# KiCad board ebit_ad.kicad_pcb (continued)
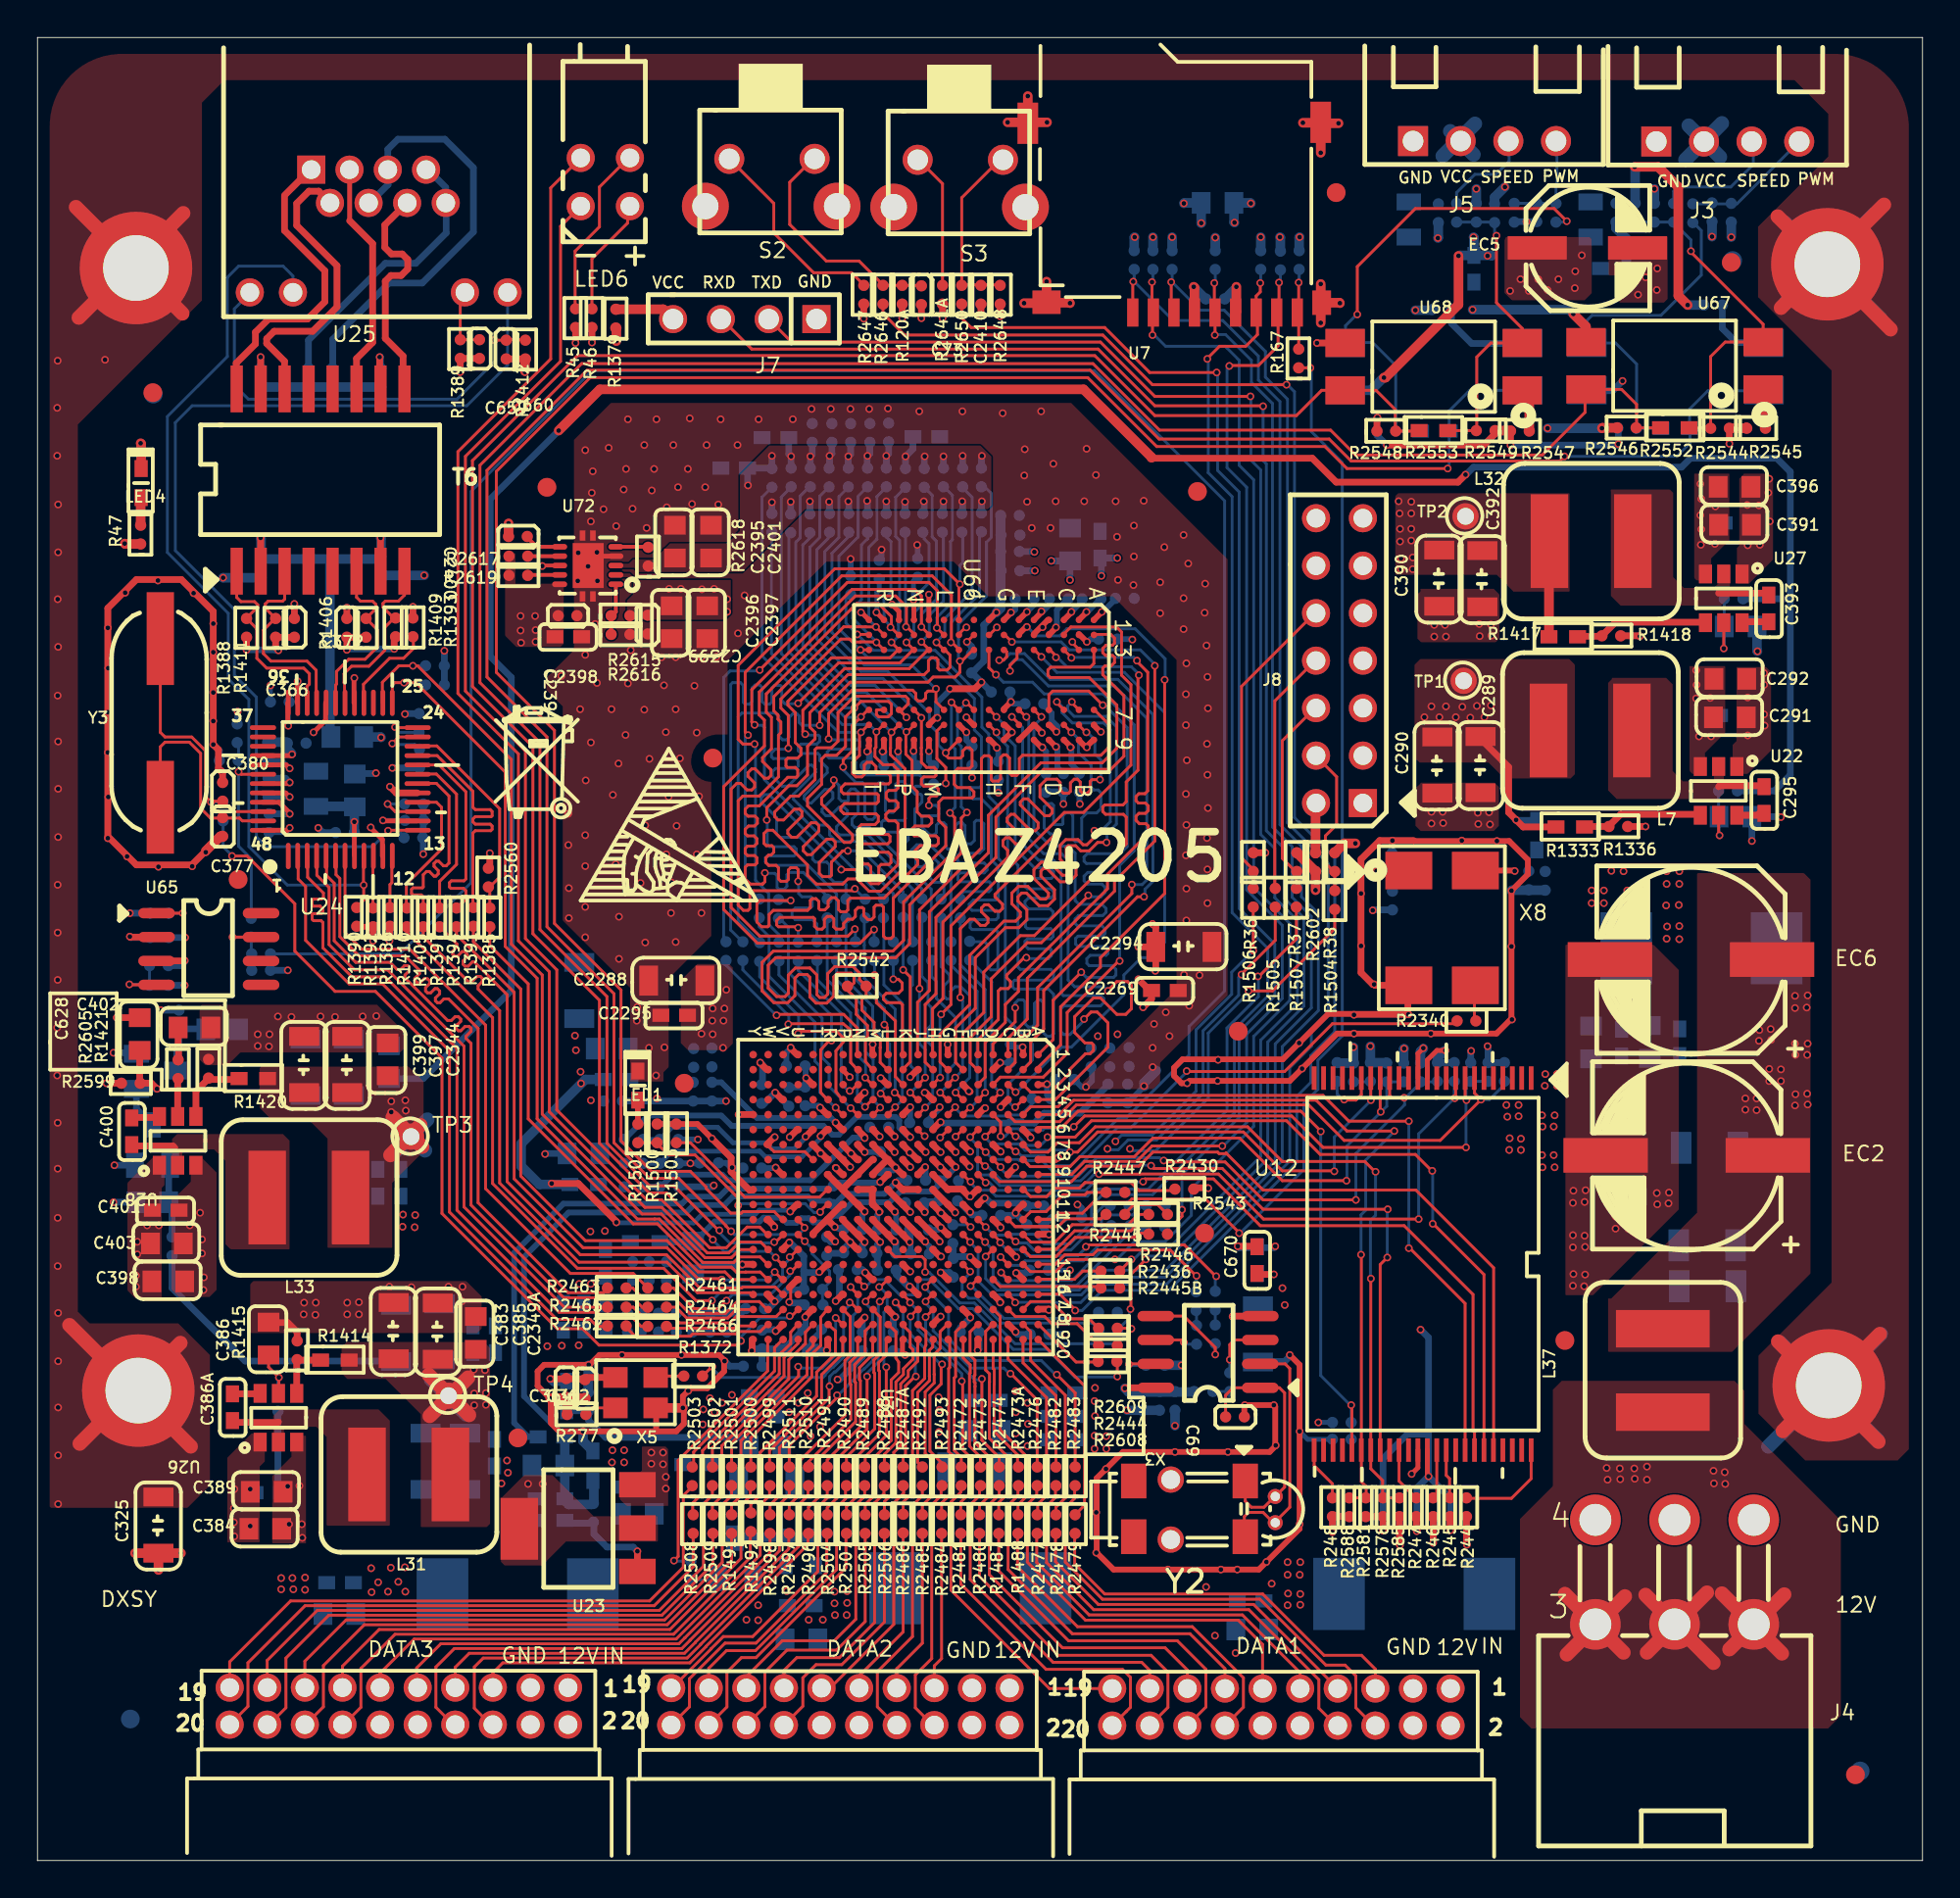
[diagram p0: board, top side]
## Routing (per net, layer and track width the routed paths; a pad name or vN(x,y) marks a point on that pad's centre or on a via; arc(x,y) is an arc through that point) (continued)
  Top Layer w0.305: v1(35.98,38.53) 35.2,39.3 R1500.2
  Top Layer w0.356: v1(4.93,49.3) 4.95,49.28 U65.2 ; v1(48.28,82.3) R2641A.1 ; v1(27.43,36.13) 28.85,36.13 30.88,34.1 v1(30.88,34.05) ; 50.97,34.22 51.38,33.8 51.38,33.8 ; 51.38,37.8 51.37,37.8 50.97,38.21 ; v1(44.93,38.63) 44.92,38.63 44.53,39.01 ; v1(53.95,33.4) 53.95,33.42 53.95,33.43 53.94,33.42 53.38,33.42 ; C670.1 65.1,31.28 v1(65.95,31.28) ; R2548.1 71.45,76.98 v1(71.48,77) ; R36.2 v1(65.5,53.78) ; v1(73.58,17.58) 73.55,17.6 R247.1 ; v1(28.7,80.98) R45.1 ; R1333.1 79.25,55.15 v1(78.88,55.53) 78.48,55.93 78.48,58.35 76.85,59.98 ; v1(75.38,17.63) 75.35,17.65 R245.1 ; 40.18,34.63 40.18,34.68 40.51,35.02 ; 50.16,31.82 50.13,31.82 49.78,32.18 ; v1(44.08,82.28) R2647.1 ; v1(35.98,38.53) 37,37.5 37,36.75 37.98,35.78 38.15,35.78 ; 52.57,39.01 52.95,38.63 52.95,38.63 ; 38.91,38.21 39.3,38.6 v1(39.33,38.6) ; v1(71.78,17.6) R2578.1 ; 61.68,35.9 62.43,35.9 v1(62.45,35.88) ; v1(29.58,81) R46.1 ; R2581.1 71.83,18.35 ; 52.2,31.38 52.56,31.02 52.57,31.02
  Top Layer w0.508: v1(85.2,90.38) 86.45,90.38 87.53,89.3 87.53,83.5 v1(88.03,83) ; v1(70.3,54.28) 69.7,54.28 R38.2 ; v1(83.45,76.43) 83.48,76.45 R2546.1 ; v1(61.68,83.98) 61.72,83.94 U7.4 ; v1(30.88,81.08) 30.88,81.73 ; v1(68.18,51.78) R2602.1 R1507.2 ; R47.1 4.68,70.25 v1(4.65,70.28)
  Bottom Layer w0.254: 13.4,55 13.25,54.85 C374.1 ; 40.18,34.58 40.05,34.7 38.5,34.7 38.28,34.48 35.46,34.48 35,34.03 30.85,34.03 ; C370.1 13.48,56.75 13.5,56.78 ; C369.1 13.05,58.68 v1(13.45,58.28) ; v1(68.33,23.38) R2577.2 ; v1(18.43,55.5) 19.58,55.5 ; v1(13.38,60.55) U24.36 C367.1
  Bottom Layer w0.305: v1(44.93,38.63) 44.43,39.13 R1502.2 ; C667.1 36.73,37.23 37,36.95 37.45,36.95 ; v1(10.68,61.3) 10.65,61.28 R1995.2
  Bottom Layer w0.356: C1887.1 4.98,49.25 v1(4.93,49.3) ; v1(75.38,17.63) 75.38,19.33 74.25,20.45 ; v1(71.78,17.6) 71.78,21.45 73.08,22.75 74.1,22.75 ; R1948.1 v1(7.85,46.7) ; v1(73.78,28.33) 74.2,27.9 v1(74.2,20.5) 73.58,19.88 v1(73.58,17.58) ; 54.68,34.3 54.08,34.3 53.68,33.9 53.68,33.7 53.95,33.42 v1(53.95,33.4) ; 52.88,31.48 52.75,31.35 v1(52.2,31.35) ; v1(71.23,50.7) 71.25,50.73 R2391.1 ; 78.23,42.6 78.2,42.58 R2583.2 77.38,43.43 v1(77.35,43.45) ; R1950.1 v1(13.35,47.5) ; 48.88,32.95 48.85,32.93 48.85,32.23 49.68,32.23 49.73,32.18 v1(49.75,32.2) ; 75.63,42.6 75.6,42.58 R2582.2 ; v1(78.88,55.53) 78.9,55.5 L113.1 ; v1(18.93,58.3) R1408.1 ; R2470.1 v1(21.7,64.55) ; v1(4.93,50.55) R2336.2
  Bottom Layer w0.508: v1(85.2,90.38) 85.23,90.35 R1344.2 ; v1(67.33,86.63) 67.3,86.6 R166.2 ; 69.38,42.6 69.43,42.55 R2579.2 v1(70.2,43.4) ; R161.2 v1(65.25,86.63) ; R2460.2 26.78,36.08 25.8,37.05 25.8,38.25 29.23,41.68 30.08,41.68 ; 61.7,83.93 62.3,83.33 C94.2 ; 75.05,43.2 74.68,42.83 R2582.2 ; v1(60.68,23.2) R1279.1 ; 88.93,82.98 88.9,83 v1(88.03,83) ; v1(73.5,82.73) 74.38,82.73 R3555.1 ; v1(62.08,87.38) C93.2 61.18,88.45 v1(61.15,88.43) ; R163.2 v1(60.53,86.63) ; v1(80.55,76.43) v1(83.45,76.43) ; R162.2 v1(62.83,86.6) ; R2580.2 72.88,43.3 v1(72.9,43.33) ; R160.2 66.3,86.6 v1(66.28,86.63) ; R164.2 v1(59.5,86.63) ; R1361.2 v1(76.75,89.2) ; v1(58.53,86.63) 58.5,86.6 R165.2
  vias: v1(25.77,66.41) v1(25.77,65.63) v1(25.8,64.98) v1(26.54,66.41) v1(26.57,65.66) v1(26.57,65.03) v1(28.67,44.02) v1(28.72,43.24) v1(28.97,42.09) v1(28.99,41.47) v1(29.52,40.57) v1(32.74,21.77) v1(32.74,21.17) v1(33.37,21.77) v1(33.37,21.15) v1(33.52,20.47) v1(33.52,19.85) v1(37.05,36.98) v1(40.15,34.63) v1(51.38,37.83) v1(51.38,33.78) v1(52.98,38.57) v1(56.39,22.67) v1(56.39,21.97) v1(57.01,22.65) v1(57.01,21.97) v1(66.41,30.54) v1(66.53,29.64) v1(73.98,61.01) v1(74.36,61.59) v1(74.78,61.01) v1(75.13,61.59) v1(75.66,61.01) v1(76.01,61.56) v1(76.43,60.99) v1(76.78,61.61) v1(77.18,61.01) v1(77.53,61.64)
VCC1: length 24.1
  Bottom Layer w0.356: v1(47.33,74.93) 47.3,74.9 R2636.2 ; 47.3,71.88 47.3,72.5 v1(47.28,72.53) ; C2407.1 42.38,75.08 v1(42.25,74.95) 42.25,74.33 R2622.2 ; R2632.2 v1(40.18,72.5) ; R2643.2 v1(48.33,74.93) ; R2637.2 v1(41.2,72.53) ; 41.33,75.58 41.33,75.03 v1(41.23,74.93) R2625.2 ; C2403.1 40.08,75.05 v1(40.2,74.93) 40.2,74.23 ; 48.33,71.88 v1(48.33,72.53) ; 49.35,71.88 49.35,72.5 v1(49.33,72.53) ; v1(44.25,72.55) 44.28,72.53 R2630.2 ; C2402.2 46.7,75.33 v1(46.3,74.93) 46.3,74.25 46.25,74.2 ; v1(43.25,72.53) 43.28,72.5 R2631.2 ; R2624.2 v1(46.28,72.5) ; 44.25,74.25 44.25,74.93 v1(44.28,74.95) 44.4,75.08 C2408.1 ; v1(37.9,73.38) 37.88,73.4 C2404.1 39.15,74.3 R2629.2 v1(39.18,74.95) ; v1(50.38,72.53) 50.35,72.5 R2640.2 ; 43.23,74.38 43.25,74.4 v1(43.25,74.93) 43.38,75.05 C2405.1 ; v1(42.23,72.5) 42.25,72.48 R2633.2 ; v1(50.38,74.95) 50.35,74.93 R2639.2 ; R2641.2 v1(49.35,74.95) ; C2409.1 45.4,75.08 v1(45.28,74.95) 45.28,74.25 ; R2626.2 v1(45.28,72.53) ; R2627.2 v1(39.18,72.48)
VCC6: length 5.3
  Top Layer w0.356: X3.8 58.03,25.23 v1(58,25.2)
  Bottom Layer w0.508: v1(58,25.2) 58.2,25 61.6,25
VCC8: length 17.1
  Top Layer w0.356: v1(71.98,75.53) 77.15,75.53 77.75,76.13 R2549.2 ; v1(90.25,75.6) R2544.2 ; v1(78.58,75.53) R2547.1
  Top Layer w0.508: R2549.2 78.6,76.3 ; 91.15,76.48 91.1,76.43 R2544.2
  Bottom Layer w0.356: v1(78.58,75.53) 84.3,75.53 84.33,75.55 84.33,76.43 ; R2556.1 71.45,76.05 71.95,75.55
  vias: v1(78.56,83.75) v1(79.11,84.38) v1(79.56,83.75) v1(80.06,84.38) v1(80.56,83.8) v1(81.13,84.38) v1(82.03,84.8) v1(82.01,83.9) v1(82.38,85.65) v1(84.33,75.58) v1(91.1,40.67) v1(91.1,40.07) v1(91.7,40.67) v1(91.7,40.04) v1(91.85,44.31) v1(91.83,43.74) v1(92.45,44.36) v1(92.38,42.24) v1(92.38,41.59) v1(92.48,43.79) v1(93,42.22) v1(93,41.59) v1(93.75,46.14) v1(93.75,45.49) v1(93.75,43.59) v1(93.75,40.29) v1(93.78,42.99) v1(93.78,40.89) v1(94.43,46.16) v1(94.38,45.51) v1(94.43,43.59) v1(94.4,42.99) v1(94.4,40.92) v1(94.43,40.34)
VCC-DDR: length 53.6
  Top Layer w0.152: 50.75,65.45 50.83,65.45 v1(51.18,65.8) ; 49.58,65.8 49.5,65.8 49.15,65.45
  Top Layer w0.254: v1(46.73,67.28) 46.75,67.25 46.75,66.2 ; 45.15,66.2 v1(44.75,66.6) 44.73,66.6 ; v1(53.85,41.43) 53.83,41.4 53.38,41.4 ; 42.92,42.21 43.32,41.81
  Top Layer w0.305: 56.35,66.2 v1(56.78,66.63) ; 50.75,59.8 50.8,59.8 51.18,59.43 ; v1(45.08,59.18) 45.15,59.18 45.15,59.18 45.15,59.8 ; 52.35,66.2 v1(52.78,66.63) ; 53.95,65.45 54,65.45 54.35,65.8 ; v1(46.73,59.21) 46.75,59.21 46.75,59.2 46.75,59.8 ; v1(51.93,61.83) 51.55,61.45 51.55,61.4 ; 54.75,59.8 55.15,59.4 55.18,59.4 ; 49.15,60.58 49.18,60.58 v1(49.55,60.2) ; v1(56.73,60.23) 56.7,60.23 56.35,60.58 ; v1(55.15,66.63) 55.15,66.6 54.75,66.2 ; v1(48.55,43.55) 48.55,43.55 48.55,43 ; 53.95,59.8 v1(54.33,59.43) ; 55.55,65.45 55.93,65.08 55.93,65.03 ; 53.15,59.8 53.55,59.4
  Top Layer w0.356: v1(58.73,47.03) 59.33,46.43 C2269.1 59.43,45.98 v1(58.98,45.53) ; C2294.1 59.65,47.5 v1(59.63,47.48) ; C2294.1 v1(58.73,48.75) ; C2294.1 59.65,49.8 v1(59.48,49.98) ; 45.34,41.4 44.99,41.75 v1(44.98,41.75) ; v1(43.33,41.8) 43.35,41.8 ; v1(50.55,40.15) 50.51,40.15 50.16,39.81 ; v1(51.35,42.58) 51.34,42.58 50.97,42.2 ; v1(40.18,43.38) 40.18,43.34 40.51,43 ; 47.4,40.95 47.75,40.61 47.75,40.61 ; v1(39.35,40.98) 39.71,40.62 39.71,40.61 ; v1(41.75,40.18) 42.12,39.81
  Top Layer w0.508: 80.68,68.6 80.63,68.55 R1417.1
  Bottom Layer w0.254: v1(46.73,67.28) 46.73,68.28 46.9,68.45 ; C2382.1 44.9,67.8 44.78,67.68 44.78,66.6 ; v1(51.35,42.58) 51.88,42.58
  Bottom Layer w0.305: 49.78,59.55 49.55,59.78 v1(49.55,60.2) ; v1(41.75,40.18) 41.65,40.28 C2298.1 ; C2373.2 56.18,65.18 56.05,65.05 ; 53.53,59.45 53.8,59.18 C2372.1 ; 46.85,58.43 46.75,58.53 46.75,59.2 46.75,59.21 v1(46.73,59.21) ; 52.7,66.55 53.15,67 C2369.1 ; 52.6,61.73 52.03,61.73 v1(51.93,61.83) 51.88,61.88 51.88,62.3 ; v1(55.15,66.63) 55.73,67.2 ; 55.15,59.43 55.15,58.5 55.65,58 ; C2367.1 54.4,58.33 54.4,59.48 ; 40.23,43.4 39.95,43.13 C2299.2 ; v1(56.78,66.63) 56.83,66.63 57.48,67.28 ; 54.38,65.8 54.38,66.73 54.93,67.28 ; 54.28,41.7 54.25,41.7 53.85,41.3 53.85,40.85 R2457.1 ; v1(51.18,59.38) 51.25,59.3 51.25,58.7
  Bottom Layer w0.356: v1(45.08,59.18) 45.15,59.18 45.15,59.18 45.15,58.53 45.18,58.5 ; C2296.1 38.78,40.4 v1(39.35,40.98) 40.05,40.28 40.05,40.25 ; v1(54.08,69.35) C2370.1 v1(55.08,68.33) ; C2383.1 53.15,69.85 v1(53.18,69.83) ; R2537.2 v1(53.2,68.83) ; v1(56.75,68.55) 56.75,69.43 C2292.1 v1(57.6,69.5)
  vias: v1(33.69,67.86) v1(34.32,67.86) v1(35.44,67.83) v1(35.42,44.12) v1(36.02,45.46) v1(35.99,44.81) v1(36.02,44.09) v1(36.09,67.86) v1(36.64,45.46) v1(36.59,44.81) v1(36.57,43.37) v1(36.74,46.46) v1(36.79,67.31) v1(36.79,66.63) v1(47.33,40.98) v1(49.55,65.8) v1(53.6,59.4) v1(54.33,65.8) v1(55.1,59.4) v1(55.98,65.03) v1(56.56,43.99) v1(57.61,44.09) v1(72.61,72.53) v1(72.66,71.88) v1(72.68,71.06) v1(72.68,70.38) v1(72.73,69.48) v1(72.73,68.91) v1(73.28,72.51) v1(73.28,71.88) v1(73.28,71.06) v1(73.28,70.43) v1(73.36,69.53) v1(73.36,68.91)
VCCA: length 152.4
  Top Layer w0.356: 44.13,34.6 v1(44.13,34.63) 42.14,36.61 42.12,36.61 ; v1(46.55,37) 46.55,37 46.14,37.41 ; 42.98,35.85 42.98,35.85 44.53,37.41 ; 59.43,74.85 59.45,74.83 68,74.83 69.28,73.55 75.78,73.55 v1(76.18,73.95) ; 48.55,36.61 48.55,36.61 47.75,37.41 ; 45.34,35.02 45.75,34.6 ; 49.36,37.41 v1(49.73,37.03) ; 46.95,35.02 47.33,34.63 47.35,34.63
  Top Layer w0.508: 59.43,74.85 59.43,74.88 55.8,78.5 30,78.5 v1(27.8,76.3)
  Top Layer w0.762: 18.82,37.64 20.42,39.24 ; 18.95,39.67 20.52,38.09
  Bottom Layer w0.305: C2354.1 47.38,35.18 48,35.18 ; 44.13,34.6 44,34.48 C2339.1 ; C2342.1 45.8,34.55 45.75,34.6
  Bottom Layer w0.356: 93.5,67.38 93.5,57.93 92.65,57.08 R2603.2 ; 93.5,67.38 93.45,67.33 90.93,67.33 ; 93.5,67.38 93.5,74.1 92.78,74.83 88.18,74.83 87.7,74.35 76.6,74.35 76.23,73.98 ; 47.35,34.55 47.35,34.93 47.28,35 ; v1(27.8,76.3) 24.15,72.65 24.15,64.25 25.28,63.13 25.28,46.43 20.58,41.73 19.13,41.73
  Bottom Layer w0.762: 19,37.74 20.8,39.54 ; 19,39.57 20.67,37.89
  vias: v1(18.87,40.52) v1(18.87,39.94) v1(19.62,40.57) v1(19.65,40.02) v1(29.49,33.57) v1(30.27,33.59) v1(45.74,34.62) v1(47.33,34.6) v1(48.17,36.99)
VCCB: length 17.6
  Top Layer w0.356: v1(46.55,38.6) 46.55,38.6 46.14,39.01
  Bottom Layer w0.305: R1496.2 32.58,39.75 36.48,39.75 37.03,39.2 41.93,39.2 42.4,38.73 42.75,38.73 43.71,39.68 44.63,39.68 44.64,39.68 45.17,39.68 45.17,39.68 45.77,39.68 45.97,39.48 45.97,39.11 46.38,38.7
VCCE: length 25.7
  Top Layer w0.356: 41.32,29.42 41.32,29.39 40.98,29.05 ; v1(44.13,28.98) 43.78,28.63 43.73,28.63 ; 41.75,31.43 41.75,31.45 42.12,31.82 ; 38.12,27.21 38.12,27.81 ; v1(39.33,29.83) 39.3,29.83 38.91,30.22 ; 39.71,32.62 39.74,32.62 40.13,33
  Bottom Layer w0.305: 40.98,28.95 40.98,28.5 C2308.2
  Bottom Layer w0.356: C2310.1 38.65,27.33 38.63,27.35 ; 39.78,27.3 C2307.1 38.15,27.3 38.13,27.28 ; C2309.2 39.8,27.28 40.85,28.33 ; 40.85,30.45 40,30.45 39,29.45 C2313.1 ; 37.7,22.4 37.53,22.58 30.3,22.58 29.4,23.48 29.4,24 L29.2 ; 40.88,31.45 40.95,31.38 41.7,31.38 ; 40.88,31.45 R2540.2 ; 40.88,31.45 40.88,32.25 40.13,33 ; v1(44.13,28.98) 44,28.85 C2314.1
  vias: v1(35.52,24.07) v1(35.49,23.27) v1(35.87,24.67) v1(36.12,23.92) v1(36.52,24.42) v1(37.04,24.84) v1(38.1,27.2) v1(40.1,32.98) v1(40.95,29) v1(41.7,31.4)
VCCO: length 7.9
  Top Layer w0.254: v1(46.28,26.98) 46.14,27.11 46.14,27.83
  Top Layer w0.356: 46.58,30.6 46.58,30.59 46.95,30.22 ; v1(44.15,31.38) 44.51,31.02 44.53,31.02 ; 47.75,32.62 48.15,32.22 48.15,32.2 ; 51.77,28.63 52.18,28.22 v1(52.18,28.2) ; 49.36,29.42 49.78,29 49.78,29
  Bottom Layer w0.254: C2317.2 46.05,27.2 v1(46.28,26.98)
  Bottom Layer w0.356: 52.18,28.18 52.28,28.08 C2323.2 ; 46.58,30.63 46.45,30.63 45.8,31.28 C2320.1 ; v1(44.15,31.38) 44,31.53 C2318.1 ; 49.7,28.9 49.23,28.43 C2322.2
  vias: v1(46.53,30.63) v1(48.2,32.23) v1(49.76,28.97) v1(52.16,25.04) v1(52.19,23.92) v1(52.19,22.8) v1(52.81,24.42) v1(52.84,23.3) v1(52.81,22.12)
VCCP: length 43
  Top Layer w0.356: 48.95,34.63 48.94,34.63 47.75,35.81 ; v1(48.98,37.8) 48.96,37.8 48.55,38.21 ; 46.14,34.22 47.36,33 ; v1(44.13,33) 44.13,33.02 42.93,34.22 ; 46.95,38.21 47.35,37.8 v1(47.38,37.8) ; v1(44.13,37.8) 44.13,37.81 43.73,38.21 ; 42.12,38.21 42.14,38.21 v1(43.35,37) ; v1(42.55,33.03) 42.16,33.42 42.12,33.42 ; 45.34,38.21 45.73,37.82 v1(45.73,37.8) ; 48.55,33.42 48.55,33.42 47.75,34.22 ; 44.53,34.22 45.75,33
  Top Layer w0.762: 20.87,25.92 23.02,23.77 ; 20.92,23.72 22.97,25.77
  Bottom Layer w0.305: C2335.1 48.03,33.65 48.15,33.78 ; 44.18,37.8 44.93,37.8 C2347.2 ; 47.4,32.95 47.58,32.78 C2346.1
  Bottom Layer w0.356: 44.13,32.95 44,32.83 C2326.1 ; 42.52,33.02 42.32,33.02 42.09,33.24 ; 19,26.55 18.9,26.65 11.08,26.65 7.18,30.55 R1373.1 ; 45.69,33.09 45.79,32.99 45.79,32.39
  Bottom Layer w0.762: 21.02,23.82 22.87,25.67 ; 21,25.67 22.87,23.8
  vias: v1(23.27,26.19) v1(23.3,24.92) v1(23.3,24.3) v1(23.87,26.17) v1(23.92,24.94) v1(23.92,24.32) v1(27.19,27.44) v1(27.97,27.47) v1(28.87,27.49) v1(45.72,33.03) v1(47.35,33.03) v1(48.19,33.78) v1(48.95,34.58)
#CE_0: length 36.8
  Top Layer w0.152: v1(73.68,34.23) 65.4,34.23 63,36.63 58.81,36.63 58.8,36.63 v1(56.63,36.63) 56.6,36.63 56.58,36.65 ; 49.73,38.6 v1(49.75,38.6) 50.16,39.01 ; U12.9 75.65,40.73 v1(75.6,40.68)
  Bottom Layer w0.152: 75.58,40.78 R1359.1 ; 56.55,36.6 56.35,36.6 55.76,36.02 51.33,36.02 50.76,36.58 50.35,36.58 50.15,36.78 50.15,38.15 49.75,38.55 v1(49.75,38.6) ; v1(73.68,34.23) 73.68,38.78 75.58,40.68
#RE_0: length 33.1
  Top Layer w0.152: U12.8 76.15,40.65 v1(76.23,40.58) ; v1(76.2,38.05) 68.58,38.05 66.9,39.73 55.86,39.73 v1(55.28,39.15) 55.28,39.13 ; 51.38,38.6 51.38,39.4 50.97,39.81
  Bottom Layer w0.152: 76.5,41.58 R2583.1 ; R2590.1 76.2,41.33 v1(76.2,38.05) ; 55.28,39.08 53.73,39.08 53.63,38.98 52.42,38.98 52.35,39.05 52.01,39.05 51.6,38.64 v1(51.38,38.64)
#WE_0: length 28.5
  Top Layer w0.152: U12.18 71.12,40.58 v1(71.13,40.58) ; 55.09,37.74 55.09,37.76 ; v1(69.18,36.78) 69.15,36.8 66.4,36.8 64.33,38.88 56.55,38.88 55.48,37.8 55.2,37.8 55.08,37.68 ; 50.97,39.01 50.93,39.01 v1(50.55,38.63)
  Bottom Layer w0.152: 55.03,37.78 54.9,37.91 54.28,37.91 54.28,37.9 52.68,37.9 52.35,38.24 50.89,38.24 50.55,38.58 v1(50.55,38.63) ; v1(69.18,36.78) 69.18,38.6 71.1,40.53 R2586.1 ; R2579.1 71.05,41.55
  vias: v1(55.08,37.8)
ALE_0: length 27.7
  Top Layer w0.152: U12.17 71.62,39.98 v1(71.65,39.95) ; v1(69.83,36.28) 66.4,36.28 64.13,38.55 59.5,38.55 58.51,37.56 55.61,37.56 55.08,37.03 52.95,37.03 52.83,37.15 52.83,37.16 52.57,37.41
  Bottom Layer w0.152: 69.85,36.38 69.85,38.13 71.98,40.25 R2587.1 72.75,41.55 72.8,41.6
CLE_0: length 31.6
  Top Layer w0.152: U12.16 72.13,40.83 72.25,40.7 v1(72.9,40.7) ; 50.97,37.41 51.37,37 v1(51.38,37) ; v1(70.33,35.25) 65.38,35.25 63.35,37.28 60.05,37.28
  Bottom Layer w0.152: 74.85,41.6 74.8,41.55 R2598.1 ; 72.93,40.68 72.93,40.33 70.33,37.73 v1(70.33,35.25) ; 60.05,37.3 59.85,37.5 56.5,37.5 55.52,36.52 51.78,36.52 51.38,36.93 v1(51.38,37) ; 72.98,40.7 73.8,41.53
  vias: v1(60.08,37.35)
CLK_0: length 29.5
  Top Layer w0.152: R2340.1 75.58,44.65 69.08,44.65 66.53,42.1 61.33,42.1 v1(61.3,42.13) ; v1(50.58,37.8) 50.57,37.8 50.16,38.21
  Bottom Layer w0.152: 50.58,37.73 v1(50.58,37.8) 50.97,37.41 52.32,37.41 52.38,37.35 53.58,37.35 54.15,36.78 55.28,36.78 57.6,39.1 58.33,39.1 61.28,42.05
DATA1-5_0: length 10.6
  Top Layer w0.152: R2479.2 55.85,18.95 55.85,25.33 U31.A20
DATA1-6_0: length 15.7
  Top Layer w0.152: v1(47.35,30.6) 47.35,30.62 47.75,31.02 ; R2483.2 55.35,24.95 v1(54.38,25.93)
  Bottom Layer w0.152: 47.38,30.53 48.6,29.3 48.6,27.85 49.78,26.68 53.55,26.68 54.38,25.85
DATA1-7_0: length 11.3
  Top Layer w0.152: R2478.2 54.33,18.85 54.83,19.35 54.83,24.83 52.98,26.68 52.98,28.22 52.57,28.63
DATA1-8_0: length 7.6
  Top Layer w0.152: 52.57,27.83 52.57,26.56 54.33,24.8 R2482.2
DATA1-9_0: length 10.4
  Top Layer w0.152: 51.77,27.83 51.77,26.76 53.83,24.7 53.83,19.48 53.35,19 53.35,18.45
DATA1-11_0: length 13
  Top Layer w0.152: v1(51.9,25.98) 51.93,25.98 53.33,24.58 R2476.2 ; 47.75,30.22 47.38,29.85 v1(47.38,29.83)
  Bottom Layer w0.152: 51.93,25.9 51.55,26.28 49.78,26.28 47.78,28.28 47.78,29.33 47.38,29.73 v1(47.38,29.83)
DATA1-13_0: length 7.4
  Top Layer w0.152: 51,27.8 50.98,27.78 50.98,26.25 51.04,26.19 51.04,25.43 51.03,25.42 51.03,22.9 52.28,21.65 52.28,21.05 R2473A.2
DATA1-14_0: length 12
  Top Layer w0.152: 50.97,29.42 51.35,29.04 51.35,22.98 52.83,21.5 52.83,19.5 52.3,18.98 R1488.2
DATA1-15_0: length 10.4
  Top Layer w0.152: v1(47.38,29) 47.75,29.37 47.75,29.42 ; v1(50.38,25.7) 50.38,22.43 51.3,21.5 R2474.2
  Bottom Layer w0.152: v1(47.38,29) 47.38,28.28 48.52,27.14 48.53,27.14 48.91,26.75 48.91,26.74 50,25.65 50.33,25.65
DATA1-16_0: length 11.1
  Top Layer w0.152: R1487.2 51.28,19.1 51.85,19.68 51.85,19.8 51.85,19.8 51.85,20.2 51.85,20.2 51.85,20.8 51.85,20.8 51.85,21.2 51.85,21.2 51.85,21.45 50.78,22.53 50.78,25.53 50.78,25.53 50.78,25.97 50.58,26.18 50.58,28.24 50.97,28.63
DATA1-17_0: length 7.2
  Top Layer w0.152: R2473.2 50.3,21.53 49.72,22.11 49.72,25.98 49.75,26.01 49.75,26.45 49.38,26.83 49.38,27.78
DATA1-18_0: length 11.1
  Top Layer w0.152: R2480.2 50.25,18.95 50.83,19.53 50.83,19.8 50.82,19.8 50.82,20.2 50.83,20.2 50.83,20.8 50.82,20.8 50.82,21.2 50.83,21.2 50.83,21.48 50.01,22.3 50.01,25.3 50.01,25.3 50.01,25.49 49.97,25.53 49.97,25.87 50.01,25.91 50.01,26.7 49.75,26.96 49.75,28.21 50.16,28.63
DATA1-19_0: length 7.9
  Top Layer w0.152: 49.35,28.58 48.98,28.2 48.98,25.83 48.9,25.75 48.9,21.89 49.28,21.51 R2472.2
DATA1-20_0: length 13.7
  Top Layer w0.152: R2481.2 49.25,19.13 49.78,19.65 49.78,21.5 49.35,21.93 49.35,25.58 49.35,25.58 v1(49.3,25.58) ; 46.14,30.22 46.55,29.81 46.55,29.8 46.53,29.78 46.53,29.74 46.54,29.74 v1(46.54,29.77)
  Bottom Layer w0.152: 49.3,25.53 49.3,25.98 48.66,26.62 48.66,26.65 48.42,26.88 48.39,26.88 46.98,28.3 46.98,29.33 46.55,29.75
DATA2-5_0: length 9.7
  Top Layer w0.152: 48.55,27.83 48.66,27.72 48.66,26.31 48.6,26.25 48.6,21.83 48.78,21.65 48.78,19.63 48.23,19.08 R2484.2
DATA2-6_0: length 9.9
  Top Layer w0.152: R2493.2 48.25,21.2 47.61,21.85 47.61,24.83 48.2,25.43 48.2,26.48 48.2,26.48 v1(48.25,26.48) ; 46.58,28.98 46.58,29.06 46.95,29.42
  Bottom Layer w0.152: 46.6,28.98 46.55,28.93 46.55,28.1 48.2,26.45 48.2,26.43
  vias: v1(46.58,29.03)
DATA2-7_0: length 11
  Top Layer w0.152: 48.53,28.6 48.15,28.23 48.15,27.33 47.83,27.01 47.83,25.94 47.83,25.94 47.83,25.49 47.35,25 47.35,21.73 47.7,21.38 47.7,19.45 47.2,18.95 R2485.2
DATA2-8_0: length 7.2
  Top Layer w0.152: 47.75,27.8 47.75,27.4 47.58,27.23 47.58,25.84 47.58,25.83 47.58,25.61 46.95,24.98 46.95,21.25 R2492.2
DATA2-9_0: length 10.8
  Top Layer w0.152: 46.95,28.6 47.39,28.24 47.39,27.5 47.32,27.33 47.32,25.72 47.02,25.42 46.68,25.08 46.68,19.63 46.18,19.13 R2486.2
DATA2-11_0: length 10
  Top Layer w0.152: v1(46.85,25.83) 46.8,25.83 46.3,25.33 46.3,21.65 46.18,21.53 R2487A.2 ; v1(45.78,29.78) 45.79,29.78 46.14,29.42
  Bottom Layer w0.152: 46.8,25.88 46.83,25.9 46.83,27.3 46.18,27.95 46.18,29.3 45.78,29.7 v1(45.78,29.78)
DATA2-13_0: length 8.4
  Top Layer w0.152: R2488.2 45.18,21.68 45.79,22.29 45.79,25.54 46.19,25.93 46.19,26.24 46.7,26.75 46.7,27.26 46.55,27.4 46.55,28.18 46.15,28.58
DATA2-14_0: length 10.1
  Top Layer w0.152: 46.95,27.8 46.96,27.8 46.96,26.65 46.45,26.14 46.45,25.83 46.05,25.43 46.05,22.15 45.68,21.78 45.68,19.65 45.18,19.15 R2506.2
DATA2-15_0: length 10.9
  Top Layer w0.152: 44.15,21 44.15,21.55 45.28,22.68 45.28,26.28 45.3,26.3 ; 45.36,31.01 44.95,30.6 v1(44.9,30.6) ; 45.34,31.01 45.34,31.02
  Bottom Layer w0.152: v1(45.28,26.33) 45.15,26.45 45.15,29.25 45.33,29.43 45.33,30.2 44.95,30.58
DATA2-16_0: length 11.2
  Top Layer w0.152: R2505.2 44.15,19 44.65,19.5 44.65,21.53 45.54,22.42 45.54,25.64 45.94,26.04 45.94,26.6 45.79,26.82 45.79,28.21 45.31,28.67
DATA2-17_0: length 9.4
  Top Layer w0.152: 44.53,29.42 44.95,29.01 44.95,27.04 44.62,26.71 44.62,26.04 44.66,26 44.66,23.03 43.15,21.53 R2490.2
DATA2-18_0: length 10.4
  Top Layer w0.152: R2507.2 43.15,18.88 43.3,19.03 43.31,19.03 43.65,19.37 43.65,19.8 43.65,19.8 43.65,20.2 43.65,20.2 43.65,20.8 43.65,20.8 43.65,21.5 44.91,22.76 44.91,26.12 44.87,26.16 44.87,26.57 45.28,26.98 45.28,27.78 45.35,27.85
DATA2-19_0: length 7.8
  Top Layer w0.152: R2491.2 42.13,21.38 43.9,23.15 43.9,25.61 43.85,25.66 43.85,26.3 44.55,27 44.55,27.8
DATA2-20_0: length 13.1
  Top Layer w0.152: 44.95,29.8 45.34,30.19 45.34,30.22 ; R2504.2 42.13,18.83 42.63,19.33 42.63,21.4 44.25,23.03 v1(44.25,25.83)
  Bottom Layer w0.152: 44.93,29.78 44.85,29.7 44.85,26.6 44.25,26 v1(44.25,25.83)
  vias: v1(44.93,29.83)
DATA3-5_0: length 11.6
  Top Layer w0.152: R2496.2 41.13,18.85 41.63,19.35 41.63,21.4 43.64,23.42 43.64,25.5 43.59,25.55 43.59,26.47 44.15,27.03 44.15,28.25 44.5,28.6
DATA3-6_0: length 7.9
  Top Layer w0.152: R2510.2 41.13,21.28 43.39,23.54 43.39,25.4 43.34,25.45 43.34,25.95 43.33,25.96 43.33,26.58 43.75,27 43.75,27.78
DATA3-7_0: length 12.5
  Top Layer w0.152: U31.P18 43.35,29.03 43.35,28.78 43.35,27.98 43.35,26.96 43.07,26.68 43.07,25.86 43.08,25.85 43.08,23.76 40.6,21.28 40.6,19.48 40.1,18.98 R2497.2
DATA3-8_0: length 11.3
  Top Layer w0.152: R2511.2 40.1,22.15 42.65,24.7 v1(42.65,24.83) ; 44.53,30.22 44.15,29.84 44.15,29.83
  Bottom Layer w0.152: 44.2,29.7 44.55,29.35 44.55,26.68 44.11,26.23 44.08,26.23 43.85,26 43.85,25.97 42.7,24.83 v1(42.65,24.83)
  vias: v1(44.18,29.83)
DATA3-9_0: length 14.9
  Top Layer w0.152: 43.73,30.22 43.38,30.58 v1(43.38,30.6) ; 42.25,25.45 42.23,25.43 42.23,24.68 39.58,22.03 39.58,19.48 39.08,18.98 R2498.2
  Bottom Layer w0.152: v1(43.38,30.6) 43.75,30.23 43.75,29.33 43.5,29.08 43.5,27 42.57,26.07 42.51,26.07 42.27,25.84 42.27,25.77 42.25,25.75 42.25,25.38
  vias: v1(42.25,25.3)
DATA3-11_0: length 8.5
  Top Layer w0.152: 39.1,21 39.05,21.05 39.05,21.88 41.83,24.65 41.83,25.93 42.95,27.05 42.95,27.83
DATA3-13_0: length 10
  Top Layer w0.152: 42.1,29.38 41.78,28.98 41.78,27.48 41.31,27.03 41.31,25.81 38.05,22.55 R2500.2
DATA3-14_0: length 12.1
  Top Layer w0.152: R1492.2 38.05,19 38.55,19.5 38.55,21.78 41.56,24.78 41.56,26.06 42.56,27.05 42.56,28.27 U31.R19
DATA3-15_0: length 11.5
  Top Layer w0.152: 42.93,28.63 42.6,28.95 42.6,28.95 ; v1(40.58,26.35) 40.6,26.33 40.6,25.85 37.03,22.28 37.03,21.03 37.05,21
  Bottom Layer w0.152: v1(40.58,26.35) 40.65,26.28 41.88,26.28 42.58,26.98 42.58,28.78 42.55,28.8
  vias: v1(42.58,28.95)
DATA3-16_0: length 11.2
  Top Layer w0.152: 41.38,27.83 41.38,27.48 41.05,27.15 41.05,25.93 37.53,22.4 37.53,19.48 37.03,18.98 R1491.2
DATA3-17_0: length 8.7
  Top Layer w0.152: R2502.2 36,22.03 39.82,25.85 39.82,26.85 40.58,27.6 40.58,27.85
DATA3-18_0: length 12.3
  Top Layer w0.152: 36,18.5 36,18.95 36.5,19.45 36.5,22.13 40.08,25.7 40.08,26.73 40.96,27.58 40.96,28.19 41.32,28.57 41.32,28.63
DATA3-19_0: length 8.7
  Top Layer w0.152: 39.7,27.75 39.31,27.36 39.31,26.11 35,21.8 35,21
DATA3-20_0: length 12.5
  Top Layer w0.152: 40.51,28.63 40.51,28.56 40.18,28.19 40.18,27.58 39.57,26.99 39.57,25.97 35.48,21.88 35.48,19.6 34.95,19.08 34.95,18.45
DDR-A0_0: length 36.3
  Top Layer w0.152: v1(40.58,61.75) 42.73,63.9 46,63.9 46.75,64.65 46.7,64.65 v1(46.35,65)
  Bottom Layer w0.152: R2517.2 37.6,49.03 36.98,49.65 36.98,62.75 37.08,62.85 37.5,62.85 37.65,62.7 37.65,61.8 37.75,61.7 37.98,61.7 38.13,61.85 38.13,62.58 38.28,62.73 38.53,62.73 38.65,62.6 38.65,61.85 38.8,61.7 39.05,61.7 39.18,61.83 39.18,62.58 39.3,62.7 39.63,62.7 39.7,62.63 39.7,61.9 39.88,61.73 40.53,61.73 ; 46.45,65.08 46.75,65.38 46.75,65.65 46.75,65.66 46.75,66.57 47.13,66.96 47.13,67.45 47.13,67.45 47.13,67.75 47.55,68.18 47.55,70.28 47.3,70.53 47.3,70.88
DDR-A1_0: length 47
  Top Layer w0.152: v1(43.23,53.88) 42.95,53.88 42.35,53.28 42.35,52.58 42.28,52.5 41.88,52.5 41.7,52.68 41.7,53.25 42.55,54.1 42.55,54.35 42.4,54.5 42.1,54.5 41.28,53.68 41.05,53.68 40.85,53.88 40.85,54.1 41.68,54.93 41.68,55.23 41.53,55.38 41.28,55.38 40.5,54.6 40.23,54.6 40.03,54.8 40.03,54.98 40.78,55.73 40.78,55.98 40.65,56.1 40.38,56.1 39.8,55.53 39.5,55.53 39.33,55.7 39.33,55.95 40.18,56.8 40.6,56.8 41.48,57.68 41.48,59.28 41.58,59.38 42.35,59.38 42.7,59.73 42.7,61.25 43.58,62.13 46.3,62.13 46.45,61.98 46.45,61.73 46.13,61.4 45.95,61.4 v1(46.35,61)
  Bottom Layer w0.152: v1(43.23,53.88) 44,53.88 46.18,51.7 R2518.2 ; R2622.1 41.73,72.8 41.73,70.6 41.2,70.08 41.2,64.9 43.4,62.7 44.68,62.7 46.35,61.03 v1(46.35,61)
DDR-A2_0: length 39
  Top Layer w0.152: 38.68,52.1 38.73,52.15 ; 38.68,52.1 38.8,52.23 38.8,52.73 ; 38.68,52.1 38.03,52.1 37.75,52.38 37.75,53 37.88,53.13 38.28,53.13 38.38,53.23 38.38,53.5 38.25,53.63 37.88,53.63 37.75,53.75 37.75,54 37.88,54.13 38.23,54.13 38.38,54.28 38.38,54.53 38.23,54.68 37.88,54.68 37.75,54.8 37.75,55.03 37.93,55.2 38.25,55.2 38.4,55.35 38.4,55.6 38.28,55.73 37.9,55.73 37.75,55.88 37.75,56.1 37.93,56.28 38.5,56.28 40.03,57.8 40.48,57.8 40.55,57.88 40.55,58.2 40.43,58.33 40,58.33 39.93,58.4 39.93,58.73 40.03,58.83 40.55,58.83 40.73,59 40.73,59.35 40.43,59.65 40.43,61.25 40.03,61.65 40.03,61.85 42.35,64.18 45.48,64.18 45.95,64.65 45.9,64.65 v1(45.55,65)
  Bottom Layer w0.152: 38.93,52.68 39.33,52.68 39.45,52.55 39.45,51.93 39.55,51.83 39.83,51.83 39.98,51.98 39.98,52.6 40.1,52.73 40.85,52.73 42.13,51.45 R2519.2 ; R2623.1 45.78,72.75 45.78,70.65 45.98,70.45 45.98,66.06 45.92,66 45.92,65.66 45.93,65.66 45.93,65.33 45.58,64.98
  vias: v1(38.8,52.7)
